# Allegro board P2597_B04_Allegro_layout.brd (continued)
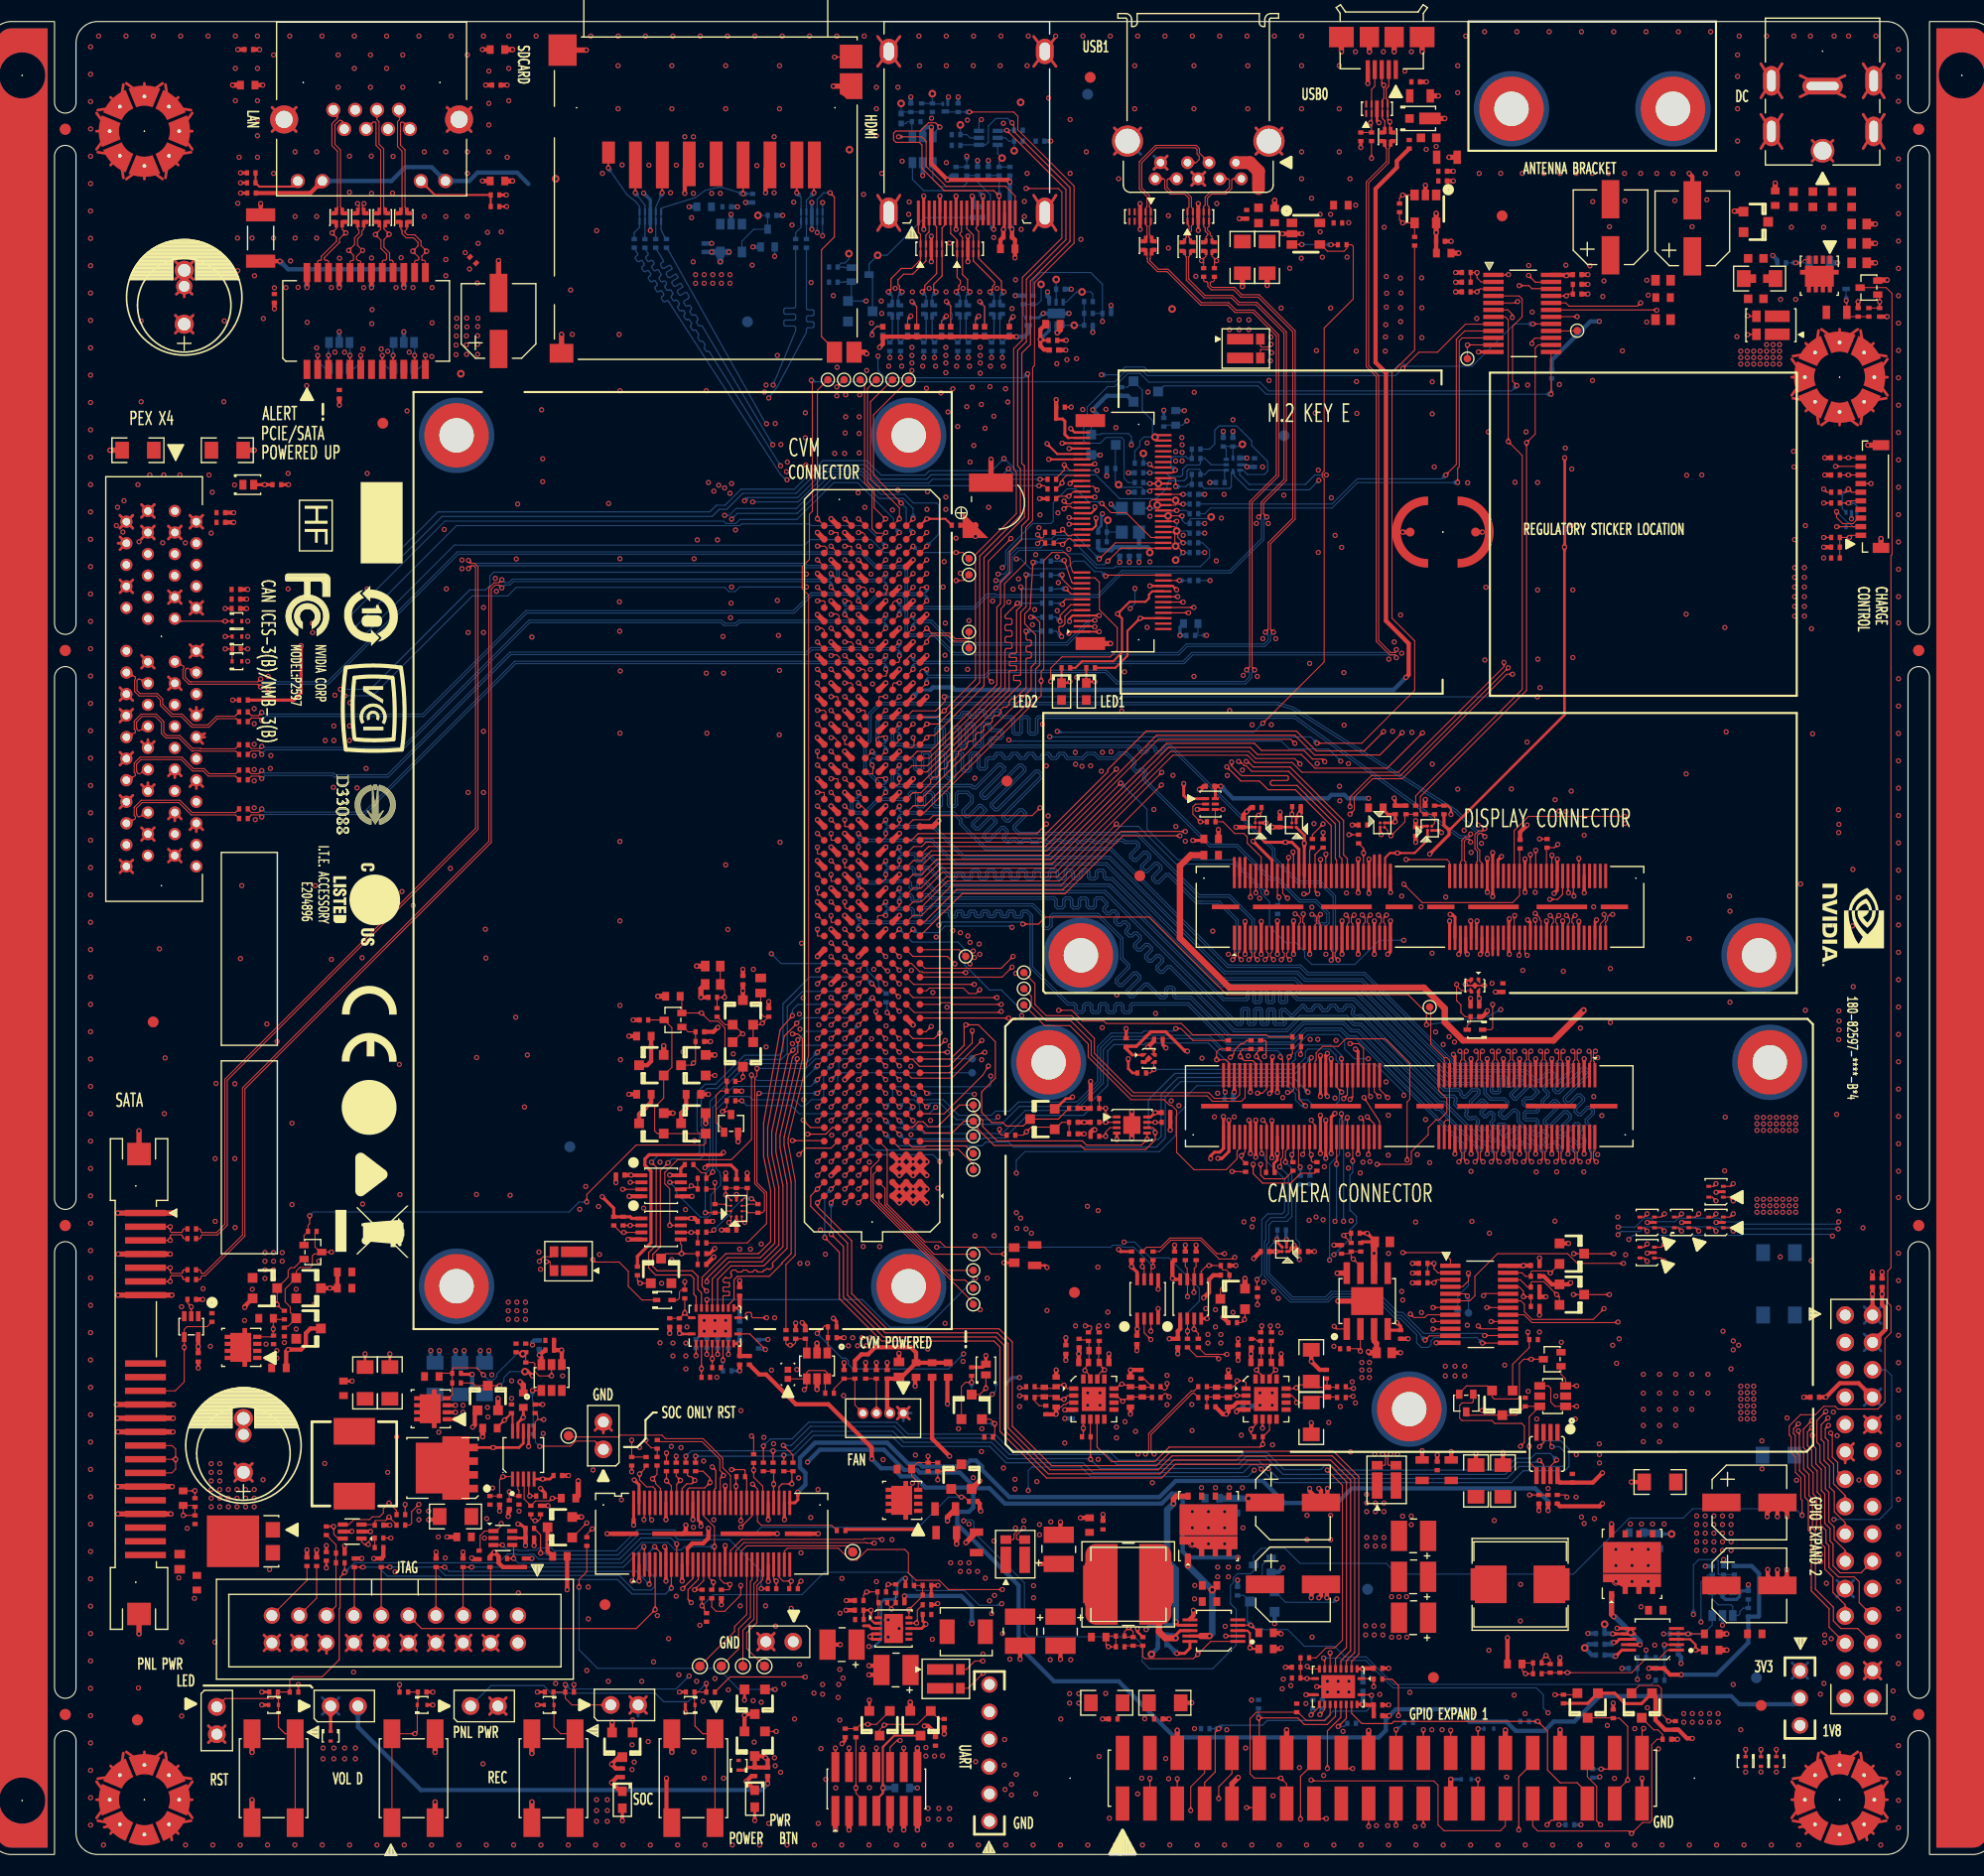
[diagram p0: board, top side]
## Nets (continued)
SDCARD_CMD_R: D505.4(3A) D505.7(3B) J12.2(CMD) R594.2
SDCARD_DAT0_POL: J13.H18(SDCARD_D0) R590.1
SDCARD_DAT0_R: D504.1(1A) D504.10(1B) J12.7(DATA0) R590.2
SDCARD_DAT1_POL: J13.H17(SDCARD_D1) R589.1
SDCARD_DAT1_R: D504.2(2A) D504.9(2B) J12.8(DATA1) R589.2
SDCARD_DAT2_POL: J13.F19(SDCARD_D2) R596.1
SDCARD_DAT2_R: D505.1(1A) D505.10(1B) J12.9(DATA2) R596.2
SDCARD_DAT3_POL: J13.F18(SDCARD_D3) R595.1
SDCARD_DAT3_R: D505.2(2A) D505.9(2B) J12.1(CD_DATA3) R595.2
SDCARD_VDD_EN: J13.H16(SDCARD_PWR_EN) Q509.1(G)
SDCARD_VDD_EN_L: Q509.3(D) R591.1 U503.4(EN*)
SDCARD_WP: D504.5(4A) D504.6(4B) J12.12(C_WR_PROTECT) J13.F20(SDCARD_WP)
SDIO_CLK: J13.B30(SDIO_CLK) R556.1
SDIO_CLK_R: J18.9(SDIO_CLK) R556.2
SDIO_CMD: J13.B29(SDIO_CMD) R555.1
SDIO_CMD_R: J18.11(SDIO_CMD) R555.2
SDIO_D0: J13.B32(SDIO_D0) R554.1
SDIO_D1: J13.A32(SDIO_D1) R553.1
SDIO_D2: J13.A31(SDIO_D2) R552.1
SDIO_D3: J13.A30(SDIO_D3) R551.1
SDIO_DAT0_R: J18.13(SDIO_DATAO) R554.2
SDIO_DAT1_R: J18.15(SDIO_DATA1) R553.2
SDIO_DAT2_R: J18.17(SDIO_DATA2) R552.2
SDIO_DAT3_R: J18.19(SDIO_DATA3) R551.2
SLEEP: D23.1(LINE1) J13.E2(SLEEP*) J26.22 R34.2
SLEEP_R: C35.1 D3.1(1C) R34.1 S2.1 S2.4
SNN_CAM_P60: J22.60
SNN_CRIT_1: U18.9(CRITICAL*)
SNN_CRIT_3: U10.9(CRITICAL*)
SNN_D_MFG_MODE_N: J10.59
SNN_DIS_64: J23.64
SNN_DIS_82: J23.82
SNN_DIS_111: J23.111
SNN_DIS_113: J23.113
SNN_DIS_114: J23.114
SNN_DIS_116: J23.116
SNN_DIS_118: J23.118
SNN_DIS_120: J23.120
SNN_EN_VDD_BL: J23.84
SNN_HDMI_RES: J16.14(RESERVED)
SNN_LED_VDD_CPU: J10.30
SNN_M2_B_65: J18.65(RESERVED_PERP1)
SNN_M2_B_67: J18.67(RESERVED_PERN1)
SNN_M2_B_71: J18.71(RESERVED_REFCLKP1)
SNN_M2_E_64: J18.64(RESERVED)
SNN_M2_E_66: J18.66(UIM_SWP_PERST1*)
SNN_M2_E_68: J18.68(UIM_POWER_SNK_CLKREQ1*)
SNN_M2_E_70: J18.70(UIM_POWER_SRC_GPIO1_PEWAKE1*)
SNN_PCIE_JTAG_TCLK: J2.A5(TCLK)
SNN_PCIE_JTAG_TDI: J2.A6(TDI)
SNN_PCIE_JTAG_TDO: J2.A7(TDO)
SNN_PCIE_JTAG_TMS: J2.A8(TMS)
SNN_PCIE_RSVD1: J2.A19(RSVD<2>)
SNN_PCIE_RSVD2: J2.B30(RSVD<3>)
SNN_PCIE_RSVD3: J2.A32(RSVD<4>)
SNN_PM2_PV_1: U10.10(PV)
SNN_PM2_TC_1: U10.13(TC)
SNN_PM2_VPU_1: U10.16(VPU)
SNN_PM_PV_2: U18.10(PV)
SNN_PM_TC_2: U18.13(TC)
SNN_PM_VPU_2: U18.16(VPU)
SNN_SATA_P1: J1.8(3V3_1)
SNN_SATA_P2: J1.9(3V3_2)
SNN_SATA_P11: J1.18(DAS_11)
SNN_SDCARD_SW_OC_L: U503.3(OC*)
SNN_TOUCH_SHDN: J23.46
SNN_U3_P6: U3.6(Y)
SNN_U9_NC: U23.5(NC)
SNN_U9_POK: U23.1(POK)
SNN_U1000_P5: U15.5(NC)
SNN_USB2_ESD_NC1: D8.4(3A)
SNN_USB2_ESD_NC2: D8.5(4A)
SNN_USB2_ESD_NC3: D8.7(3B)
SNN_USB2_ESD_NC4: D8.6(4B)
SNN_USB_ESD_NC1: D10.1(1A)
SNN_USB_ESD_NC2: D10.10(1B)
SNN_VDD_5V_MR_L: U32.3(MR*)
SNN_WARN_1: U18.8(WARNING*)
SNN_WARN_3: U10.8(WARNING*)
SOC_PWR_REQ: J13.B7(CARRIER_STBY*) Q21.1(G) R136.1 U3.3(A)
SOC_REG_EN_Q: Q7.3(D) R60.2
SOC_REG_EN_QQ: CR1.1(C) R60.1
SPI0_CLK: J13.E3(SPI0_CLK) J23.38
SPI0_CS0: J13.F3(SPI0_CS0*) J23.44
SPI0_MISO: J13.E4(SPI0_MISO) J23.40
SPI0_MOSI: J13.F4(SPI0_MOSI) J23.42
SPI1_CS0: J13.E14(SPI1_CS0*) U7.5(A4)
SPI1_CS0_3V3: J21.24(2) R337.1 U7.16(B4)
SPI1_CS1: J13.E13(SPI1_CS1*) U7.6(A5)
SPI1_CS1_3V3: J21.26(2) R3238.1 U7.15(B5)
SPI1_MISO: J13.F14(SPI1_MISO) U7.3(A2)
SPI1_MISO_3V3: J21.21(1) R335.1 U7.18(B2)
SPI1_MOSI: J13.F13(SPI1_MOSI) U7.1(A1)
SPI1_MOSI_3V3: J21.19(1) R334.1 U7.20(B1)
SPI1_SCK: J13.G13(SPI1_CLK) U7.4(A3)
SPI1_SCK_3V3: J21.23(1) R336.1 U7.17(B3)
SPI2_CS0: J13.G16(SPI2_CS0*) J23.110
SPI2_CS1: J13.F16(SPI2_CS1*) J22.66
SPI2_MISO: J13.H15(SPI2_MISO) J22.64 J23.106
SPI2_MOSI: J13.G15(SPI2_MOSI) J22.68 J23.108
SPI2_SCK: J13.H14(SPI2_CLK) J22.62 J23.104
SUSCLK_32KHZ: J18.50(SUSCLK_32KHZ) Y501.3(OUT)
SW_VDD_3V3_SYS_G: C65.1 Q19.4(G) R129.2 R131.1
SW_VDD_3V3_SYS_R: Q21.3(D) R131.2
SYNV18DBC_3_BST: C67.1 U9.8(BOOT)
SYNV18DBC_3_FB: R119.1 R122.2 R123.2 U9.1(FB)
SYNV18DBC_3_FB2: C62.1 R123.1 R124.2
SYNV18DBC_3_FB_C: C62.2 R122.1
SYNV18DBC_3_SW: C67.2 L6.1 U9.6(SW_01) U9.7(SW_02)
SYNV18DBC_3_VCC: C59.1 R120.2 U9.2(VCC)
SYS_RST_IN_DBG_C: J10.40 R97.1
TCA9539_2_RST_L: R234.2 U28.3(RST*)
TCA9539_RST_L: R241.2 U29.3(RST*)
TORCH_EN: J22.104 R200.1 U28.9(P05)
TOUCH_CLK: J13.B24(TOUCH_CLK) R218.2
TOUCH_CLK_R: J23.50 R218.1
TOUCH_INT: J13.B25(GPIO6_TOUCH_INT) J23.34
TOUCH_RST: J13.B23(GPIO7_TOUCH_RST) J23.36
TXD_HDR_1V8: R79.2 R80.2 U5.6(B2)
TXL8_1_OE: R203.2 R204.2 R343.2 U22.10(OE)
TXL8_2_OE: R70.2 R72.2 R342.2 U7.10(OE)
TXL8_OE: D16.2(A) R342.1 R343.1
TYPEC_INT: J27.9 U28.6(P02)
U3_P1: R41.1 U3.1(A)
U9_FB: C133.2 R212.1 R219.2 U23.7(FB)
U9_FB_R: C133.1 R217.2
U60_P00: TP502.1 U28.4(P00)
U60_P01: TP501.1 U28.5(P01)
UART0_CTS: J13.H11(UART0_CTS*) R61.2 R66.2 U6.7(B1)
UART0_RTS: J13.G11(UART0_RTS*) R67.2 R68.2 U5.7(B1)
UART0_RXD: J13.G12(UART0_RX) R102.1 U8.B1(COM2)
UART0_RXD_DBG_1V8: J10.8 U8.A1(NO2)
UART0_RXD_HDR_1V8: R81.2 R102.2 U8.C1(NC2)
UART0_TXD: J13.H12(UART0_TX) R89.1 U8.B3(COM1)
UART0_TXD_DBG_1V8: J10.6 U8.A3(NO1)
UART0_TXD_HDR_1V8: R80.1 R89.2 U8.C3(NC1)
UART1_CTS: J13.E10(UART1_CTS*) R175.2 U14.2(A1)
UART1_CTS_3V3_L: J17.6 R174.1 U14.7(B1)
UART1_CTS_HDR_3V3: J21.36(2) R325.2 U6.2(A1)
UART1_DIR: Q10.3(D) R83.1 R84.1 U6.5(DIR)
UART1_DIR_G: Q10.1(G) R62.2
UART1_RTS: J13.E9(UART1_RTS*) R165.2 U12.7(B1)
UART1_RTS_3V3_L: J17.2 U12.2(A1)
UART1_RTS_HDR_3V3: J21.11(1) U5.2(A1)
UART1_RXD: J13.D10(UART1_RX) R178.2 U14.3(A2)
UART1_RXD_3V3: J17.4 R177.1 U14.6(B2)
UART1_RXD_HDR_3V3: J21.10(2) R324.2 U6.3(A2)
UART1_TXD: J13.D9(UART1_TX) R168.2 U12.6(B2)
UART1_TXD_3V3: J17.5 U12.3(A2)
UART1_TXD_HDR_3V3: J21.8(2) U5.3(A2)
UART2_CTS: J13.A15(UART2_CTS*) J18.34(UART_CTS)
UART2_RTS: J13.A16(UART2_RTS*) J18.36(UART_RTS)
UART2_RXD: J13.B15(UART2_RX) J18.22(UART_RXD)
UART2_TXD: J13.B16(UART2_TX) J18.32(UART_TXD)
UART3_CTS: J13.G9(UART3_CTS*) TP504.1
UART3_RTS: J13.G10(UART3_RTS*) TP503.1
UART3_RXD: J13.H9(UART3_RX) R82.2
UART3_TXD: J13.H10(UART3_TX) R74.1 R79.1
UART4_RX: J13.D5(RSVD_12) R87.2
UART4_RX_DBG: J10.29 R87.1
UART4_TX: J13.D8(RSVD_13) R85.2 R323.1
UART4_TX_DBG: J10.27 R85.1
USB0_D_N: D10.5(4A) D10.6(4B) J20.2(DN) L13.3 R226.2
USB0_D_P: D10.4(3A) D10.7(3B) J20.3(DP) L13.4 R224.2
USB0_ID_IO_CONN: J13.A36(USB0_OTG_ID) R220.1
USB0_ID_IO_CONN_D: C134.1 D10.2(2A) D10.9(2B) J20.4(ID) R220.2
USB0_IO_CONN_D_N: J13.B40(USB0_D*) L13.2 R226.1
USB0_IO_CONN_D_P: J13.B39(USB0_D) L13.1 R224.1
USB0_OC*: R227.2 U25.3(OC*)
USB0_VBUS_EN: R227.1 R230.2 U25.4(EN)
USB1_D_N: J13.A39(USB1_D*) L10.1 R167.1
USB1_D_P: J13.A38(USB1_D) L10.2 R169.1
USB1_F_D_N: D8.2(2A) D8.9(2B) J19.2(DN) L10.4 R167.2
USB1_F_D_P: D8.1(1A) D8.10(1B) J19.3(DP) L10.3 R169.2
USB2_D_N: J13.B43(USB2_D*) J18.5(USB_DM)
USB2_D_P: J13.B42(USB2_D) J18.3(USB_DP)
USB3_RX1_F_N: D9.1(1A) D9.10(1B) J19.5(SSRXN) L11.3(P3) R173.2
USB3_RX1_F_P: D9.2(2A) D9.9(2B) J19.6(SSRXP) L11.2(P2) R176.2
USB3_RX1_N: J13.F44(USB_SS0_RX*) L11.4(P4) R173.1
USB3_RX1_P: J13.F43(USB_SS0_RX) L11.1(P1) R176.1
USB3_TX1_C_N: D9.4(3A) D9.7(3B) J19.8(SSTXN) L12.3(P3) R181.2
USB3_TX1_C_P: D9.5(4A) D9.6(4B) J19.9(SSTXP) L12.2(P2) R186.2
USB3_TX1_F_N: C105.2 L12.4(P4) R181.1
USB3_TX1_F_P: C109.2 L12.1(P1) R186.1
USB3_TX1_N: C105.1 J13.C44(USB_SS0_TX*)
USB3_TX1_P: C109.1 J13.C43(USB_SS0_TX)
USB_VBUS_EN0: J13.A17(USB0_EN_OC*) R230.1
USB_VBUS_EN1: J13.A18(USB1_EN_OC*) R216.1 U21.4(EN)
USB_VBUS_EN2: J13.A19(USB2_EN_OC*) TP14.1
USB_VBUS_J38: C115.1 J19.1(VBUS) LB10.2
USB_VBUS_J38_FB: C113.1 C121.1 C122.1 LB10.1 U21.1(OUT)
USB_VBUS_OC0: R216.2 U21.3(OC*)
VAUX_5V: J10.60 R62.1 R92.1 R254.1
VAUX_5V_G: Q38.3(G) Q40.1(G) R252.1 R254.2
VAUX_5V_L: Q36.2(S) Q37.2(S) Q40.3(D)
VBST: R536.1 U16.10(VBST)
VBST_IO: R515.1 U31.10(VBST)
W_DISABLE1_L: R539.2 U29.4(P00)
W_DISABLE1_R_L: J18.56(W_DISABLE1*) R539.1
W_DISABLE2_L: J18.54(W_DISABLE2*) Q504.3(D) R540.1 R543.2
WDT_TIME_OUT_L: D23.4(LINE3) J13.C9(WDT_TIME_OUT*) J26.16
WIFI2_EN: J13.A29(SDIO_RST*) J18.23(SDIO_RESET*)
WIFI2_WAKE_AP_L: J13.B20(GPIO10_WIFI_WAKE_AP) J18.21(SDIO_WAKE*)

Pads without a net: D13 2; J17 3; U1 1; U30 1

## Via types
v1: diameter 0.48, hole 0.28, TOP to BOTTOM, 3653 vias
v2: diameter 0.71, hole 0.355, TOP to BOTTOM, 40 vias

## Routing (per net, layer and track width the routed paths; a pad name or vN(x,y) marks a point on that pad's centre or on a via; arc(x,y) is an arc through that point)
1V8_IO_PG: length 55.6
  TOP w0.1: R128.2 86.15,22.68 86.15,21.55 v1(86.08,21.48) U9.9 ; v1(54.73,24.83) 54.73,25.53 55.45,26.26 R322.2 ; Q15.1 v1(72.95,15.32)
  L3 w0.1: v1(72.98,21.2) 71.26,21.2 70.82,20.76 70.82,17.45 v1(72.95,15.32)
  L4 w0.1: v1(72.98,21.2) 73.18,21.4 82.85,21.4 83.05,21.2 83.81,21.2 84.35,21.75 85.28,21.75 85.54,21.48 v1(86.08,21.48)
  BOTTOM w0.1: v1(54.73,24.83) 54.73,19.01 56.45,17.28 67.62,17.28 69.58,15.32 v1(72.95,15.32)
1V8_IO_VREG_EN: length 77.9
  TOP w0.1: U9.10 v1(85.38,22.73) 86.65,24 C66.1 R127.1 R125.1
  L4 w0.1: v1(85.38,22.73) 85.45,22.8 94.12,22.8 95.61,24.29 112.54,24.29 113.9,22.93 121.34,22.93 121.77,22.5 151.43,22.5 153.85,20.08 v1(153.85,18.98)
  BOTTOM w0.1: v1(153.85,18.98) R511.2 R508.2
3V3_GPIO_HDR:
  vias: v1(103.99,3.37)
3V3_IO_SLP_R:
  vias: v1(82.97,36.66)
3V3_SYS_BUCK_EN: length 46.2
  TOP w0.1: C119.1 117.88,20.66 117.79,20.66 117.17,21.28 v1(117.15,21.28) U16.4
  BOTTOM w0.1: R510.2 154.35,15.78 130.41,15.78 127.85,18.34 125.89,18.34 124.9,19.33 122.11,19.33 120.56,20.88 118.3,20.88 118.2,20.98 117.5,20.98 117.2,21.28 v1(117.15,21.28) 116.81,21.62 116.81,23.23 Q503.3 116.48,24.05 R522.1
5V0_GPIO_HDR:
  vias: v1(107.28,12.6)
5V0_HDMI_EN: length 62.3
  TOP w0.1: U29.17 v1(143.33,142.11)
  L3 w0.1: v1(103.25,137.38) 103.25,142.23 v1(103.35,142.33)
  BOTTOM w0.1: R557.1 96.9,146.18 97.6,146.88 102.25,146.88 103.35,145.78 R544.1 ; v1(103.25,137.38) 104.73,137.38 105.45,138.11 107.22,138.11 107.71,137.62 130.19,137.62 130.94,138.37 131.41,138.37 131.6,138.18 137.7,138.18 141.62,142.11 v1(143.33,142.11) ; R544.1 R548.1 ; R544.1 v1(103.35,142.33)
19V_INPUT:
  vias: v1(166.35,144.38) v1(167.75,144.38)
AVDD_CAM: length 17.5
  TOP w0.28: v1(124.1,68.18) 124.1,68.18 J22.82 124.1,64.63 v1(124.1,64.63) ; v1(124.25,74.38) 124.1,74.23 J22.81 124.1,70.53 v1(124.25,70.38) ; v1(123.6,70.38) 123.6,70.38 J22.83 123.6,74.18 v1(123.6,74.18)
  TOP w0.3: R219.1 127.45,56.88 C138.1 128.65,56.97 v1(127.95,57.67) 127.94,57.68 R217.1
  TOP w0.6: U23.6 v1(128.59,55.82) 128.59,56.81 C138.1
AVDD_TS_DIS: length 7.5
  TOP w0.25: 118.45,93.98 117.95,94.48 U17.A1
  TOP w0.28: J23.26 121.6,93.33 120.95,93.98 v1(120.35,93.98) 118.45,93.98
DVDD_CAM_IO_1V2: length 12.6
  TOP w0.22: 106.13,74.23 U13.1
  TOP w0.28: v1(118.88,70.66) 119.1,70.88 J22.101 119.1,74 v1(119.15,74.05)
  TOP w0.3: v1(111.25,74.58) 111.03,74.58 109.23,76.38 107.85,76.38 106.5,75.03 105.6,75.03 C93.1 105.55,74.81 106.13,74.23
DVDD_CAM_IO_1V8: length 5.3
  TOP w0.25: U19.A1 120.7,55.98 120.84,56.12 120.84,56.29 v1(121.13,56.58)
  TOP w0.28: v1(119.09,68.14) 119.1,68.13 J22.102 119.1,64.69 v1(119.09,64.68)
  TOP w0.4: C128.1 121.13,56.5 v1(121.13,56.58)
GND: length 2768.2
  TOP w0.15: v1(138.85,80.68) U27.5 137.15,80.68 v1(137.05,80.78)
  TOP w0.18: J18.7 v1(103.05,115.03) ; J18.1 v1(103.05,113.53)
  TOP w0.19: C30.2 v1(31.25,26.6)
  TOP w0.2: J18.75 100.76,132.03 v1(100.4,132.39) ; J18.51 v1(102.65,126.03) ; J18.63 102.57,129.03 v1(102.65,129.11) ; v1(100.22,113.37) 100.38,113.53 J18.1 ; J18.7 100.58,115.03 100.29,114.74 v1(100.29,114.48) ; v1(102.75,124.08) 102.75,123.37 102.41,123.03 J18.39 ; J18.57 100.59,127.53 v1(100.34,127.28) ; v1(102.65,125.12) 102.65,124.87 102.31,124.53 J18.45 ; U22.21 v1(123.25,15.58) ; v1(107.75,117.78) J18.18 109.88,117.78 v1(110.24,117.42) ; J18.69 v1(100.25,130.53)
  TOP w0.22: 137.62,81.16 137.2,81.16 137.05,81.01 v1(137.05,80.78)
  TOP w0.25: U24.B1 129.15,94.78 ; C82.2 v1(99.99,140.58) ; v1(88.07,24.98) R127.2 C66.2 ; v1(153.95,55.83) 154,55.88 D23.2 ; R116.2 79.45,10.58 v1(79.15,10.28) ; U7.11 64.1,48.33 v1(64.05,48.38) ; U19.B1 v1(120.45,57.08) ; R166.2 106.6,20.68 v1(106.6,20.98) ; D22.2 v1(157.15,58.68) ; C134.2 v1(127.35,158.48) ; v1(119.59,65.08) 119.59,64.47 119.27,64.16 119.27,63.41 R200.2 ; v1(34.85,46.48) C33.2 34.85,45.15 ; 122.6,85.11 v1(122.6,83.58) ; R164.2 106.15,72.55 105.75,72.95 v1(105.75,73.88) ; v1(86.75,153.98) J16.2 v1(86.75,150.88) ; D6.2 v1(64.6,13.18) ; U17.B1 v1(118.55,95.78) ; v1(87.45,150.26) D502.3 v1(87.45,147.88) ; 149.11,85.11 149.11,86.64 v1(149.25,86.78) ; J21.39 v1(153.48,7.08) ; C75.2 v1(94.2,54.94) ; D8.3 v1(106.85,150.88) ; C34.2 v1(37.15,46.48) ; R54.2 v1(51.35,41.78) ; D3.2 v1(41.15,13.88) ; v1(89.75,150.88) J16.8 v1(89.75,153.98) ; J16.5 v1(88.25,153.98) ; 146.11,85.11 v1(146.11,86.68) ; J16.11 v1(91.25,153.98) ; D10.3 128.85,160.98 v1(129.05,160.78) ; C39.2 v1(47.98,154.08) ; v1(94.15,150.88) 94.25,150.98 J16.17 ; Q18.2 v1(81.7,14.33) ; C35.2 v1(41.15,15.08) ; v1(98.2,54.5) 98.01,54.69 C77.2 ; 144.61,85.11 v1(144.61,86.68) ; U16.6 111.48,21.86 ; C29.2 v1(25.25,15.08) ; Q15.2 v1(70.1,14.33) ; C32.2 v1(33.65,43.95) ; U11.4 v1(104.68,66.38) ; D25.2 v1(160.35,58.68) ; D9.3 v1(112.25,150.78) ; U20.B1 121.35,96.28 ; U26.B1 134.65,95.08 ; C46.2 v1(50.85,15.08) ; C25.2 v1(23.27,156.13) ; v1(100.57,70.33) 100.42,70.18 99.95,70.18 99,69.23 Q22.2 ; U4.7 v1(50.05,37.88) ; v1(90.85,150.26) D501.3 v1(90.85,147.88) ; D24.2 v1(153.95,58.68) ; C26.2 v1(23.27,154.26) ; 147.61,85.11 v1(147.61,86.64) ; D4.2 v1(50.85,13.88) ; D26.2 160.4,61.53 v1(160.35,61.48) ; 143.11,85.11 143.11,86.52 v1(142.85,86.78) ; J22.121 149.92,69.48 ; C50.2 v1(64.05,15.08) ; U8.D2 v1(69.35,61.28)
  TOP w0.254: 174.11,17.84 J26.28 ; J26.28 174.11,16.28 ; J26.28 175.67,17.84 ; J26.28 175.67,16.28 ; MEC1.8 18.68,161.95 ; MEC1.8 17.49,163.14 ; MEC1.8 16.3,164.33 ; MEC2.8 17.49,8.22 ; MEC2.8 16.3,9.41 ; MEC2.8 18.68,7.03 ; 18.58,111.14 19.18,111.74 ; 19.18,111.74 19.77,112.34 ; 19.18,111.74 19.77,111.14 ; 19.18,111.74 18.58,112.34 ; 20.3,11.94 J3.2 ; J3.2 21.85,10.39 ; J3.2 20.3,10.39 ; J3.2 21.85,11.94 ; 117.6,157.86 J19.10 ; J19.10 120.04,160.3 ; J19.10 120.04,157.86 ; J19.10 117.6,160.3 ; MEC1.7 18.8,158.32 ; MEC1.7 18.8,161.68 ; MEC1.7 18.8,160 ; MEC2.7 18.8,3.4 ; MEC2.7 18.8,5.08 ; MEC2.7 18.8,6.76 ; 96.97,166.02 J16.21 ; J16.21 99.03,168.79 ; J16.21 96.97,168.79 ; J16.21 99.03,166.02 ; 167.5,3.13 169.55,2.8 ; 169.55,2.8 168.69,1.94 ; 169.55,2.8 168.09,2.53 ; J7.6 44.7,20.37 ; J7.6 43.24,20.37 ; J7.6 44.7,18.91 ; J7.6 43.24,18.91 ; 28,18.91 J7.18 ; J7.18 28,20.37 ; J7.18 29.46,20.37 ; J7.18 29.46,18.91 ; J25.5 175.98,163.1 ; J25.5 174.02,166.26 ; J25.5 174.02,163.1 ; J25.5 175.98,166.26 ; 169.55,134.88 169.88,132.83 ; 169.55,134.88 167.5,135.21 ; 169.55,134.88 168.69,134.02 ; 9.9,158.32 MEC1.3 ; MEC1.3 9.9,161.68 ; MEC1.3 9.9,160 ; J25.4 166.48,166.26 ; J25.4 164.52,166.26 ; J25.4 164.52,163.1 ; J25.4 166.48,163.1 ; J19.11 106.9,160.3 ; J19.11 104.46,157.86 ; J19.11 104.46,160.3 ; MEC13.6 176.16,135.21 ; MEC13.6 173.78,132.83 ; MEC13.6 174.97,134.02 ; J9.2 60.99,13.1 ; J9.2 59.44,14.66 ; J9.2 60.99,14.66 ; J9.2 59.44,13.1 ; 12.67,9.53 MEC2.1 ; MEC2.1 14.35,9.53 ; MEC2.1 16.03,9.53 ; 14.67,98.74 15.27,99.34 ; 14.67,98.74 14.67,99.51 ; 14.67,98.74 14.08,99.34 ; 173.78,9.41 MEC14.8 ; MEC14.8 174.97,8.22 ; MEC14.8 176.16,7.03 ; 9.9,5.08 MEC2.3 ; MEC2.3 9.9,3.4 ; MEC2.3 9.9,6.76 ; 12.08,108.34 12.67,107.74 ; 12.67,107.74 13.27,107.14 ; 12.67,107.74 12.08,107.14 ; 12.67,91.74 13.27,91.14 ; 12.67,91.74 12.08,91.14 ; 12.67,91.74 13.27,92.34 ; 12.67,91.74 12.08,92.34 ; 33.08,20.37 J7.14 ; J7.14 34.54,20.37 ; J7.14 33.08,18.91 ; J7.14 34.54,18.91 ; J26.11 173.13,36.6 ; J26.11 173.13,38.16 ; J26.11 172.35,36.35 ; 174.11,40.7 J26.10 ; J26.10 174.11,39.14 ; J26.10 175.67,39.14 ; J26.10 175.67,40.7 ; 16.58,96.14 17.18,96.74 ; 17.18,96.74 17.77,96.14 ; 17.18,96.74 17.18,95.97 ; 16.58,100.14 17.18,100.74 ; 17.18,100.74 17.77,100.14 ; 17.18,100.74 17.18,99.97 ; 12.67,105.74 13.27,106.34 ; 12.67,105.74 12.08,106.34 ; 12.67,105.74 12.08,105.14 ; 171.83,132.72 MEC13.5 ; MEC13.5 170.15,132.72 ; MEC13.5 173.51,132.72 ; 18.58,106.34 19.18,105.74 ; 19.18,105.74 19.18,106.51 ; 19.18,105.74 19.77,106.34 ; J16.20 99.03,154.05 ; J16.20 99.03,150.78 ; J16.20 96.97,150.78 ; J16.20 96.97,154.05 ; 12.08,97.14 12.67,97.74 ; 12.67,97.74 12.08,98.34 ; 12.67,97.74 13.27,98.34 ; J15.1 85.41,41.54 ; J15.1 84.29,40.42 ; J15.1 85.41,40.42 ; J15.1 84.29,41.54 ; J7.4 47.24,20.37 ; J7.4 45.78,18.91 ; J7.4 45.78,20.37 ; J7.4 47.24,18.91 ; MEC2.6 18.68,3.13 ; MEC2.6 16.9,1.34 ; MEC2.6 17.49,1.94 ; 56.2,39.37 J8.2 ; J8.2 56.98,39.12 ; J8.2 57.76,39.37 ; J19.7 112.87,156.2 ; J19.7 111.63,154.96 ; J19.7 112.87,154.96 ; J19.7 111.63,156.2 ; 17.32,144.86 C4.2 ; C4.2 18.78,144.86 ; C4.2 18.05,144.63 ; J19.4 109.37,156.46 ; J19.4 108.13,156.46 ; J19.4 109.37,157.7 ; 168.69,8.22 169.55,7.36 ; 169.55,7.36 169.88,9.41 ; 169.55,7.36 167.5,7.03 ; MEC1.5 16.03,155.56 ; MEC1.5 12.67,155.56 ; MEC1.5 14.35,155.56 ; 71.31,20.53 J11.2 ; J11.2 72.86,18.98 ; J11.2 72.86,20.53 ; J11.2 71.31,18.98 ; 19.18,103.74 19.77,103.14 ; 19.18,103.74 19.95,104.08 ; 19.18,103.74 19.95,103.74 ; 167.38,138.84 MEC13.3 ; MEC13.3 167.38,137.16 ; MEC13.3 167.38,135.48 ; 12.08,101.14 12.67,101.74 ; 12.67,101.74 13.27,102.34 ; 12.67,101.74 12.08,102.34 ; 82.47,154.05 J16.22 ; J16.22 84.53,150.78 ; J16.22 84.53,154.05 ; J16.22 82.47,150.78 ; 169.55,139.44 169.88,141.49 ; 169.55,139.44 168.69,140.3 ; 169.55,139.44 167.5,139.11 ; 14.67,102.74 15.27,103.34 ; 14.67,102.74 14.67,103.51 ; 14.67,102.74 14.08,103.34 ; MEC14.7 176.28,5.08 ; MEC14.7 176.28,6.76 ; MEC14.7 176.28,3.4 ; J25.6 175.98,158.4 ; J25.6 175.98,161.56 ; J25.6 174.02,161.56 ; J25.6 174.02,158.4 ; 168.17,163.2 J25.2 ; J25.2 172.33,165.16 ; J25.2 172.33,163.2 ; J25.2 168.17,165.16 ; 14.08,94.14 14.67,94.74 ; 14.67,94.74 15.27,94.14 ; 14.67,94.74 15.27,95.34 ; 14.67,94.74 14.08,95.34 ; 174.11,139.44 174.97,140.3 ; 174.11,139.44 176.16,139.11 ; 174.11,139.44 173.78,141.49 ; 12.07,157.72 12.4,155.67 ; 12.07,157.72 11.21,156.86 ; 12.07,157.72 10.02,158.05 ; 19.18,94.97 19.18,95.74 ; 19.18,95.74 19.77,95.14 ; 19.18,95.74 18.58,95.14 ; 40.7,18.91 J7.8 ; J7.8 42.16,20.37 ; J7.8 42.16,18.91 ; J7.8 40.7,20.37 ; J7.10 39.62,20.37 ; J7.10 38.16,20.37 ; J7.10 38.16,18.91 ; J7.10 39.62,18.91 ; 17.18,92.74 17.77,93.34 ; 17.18,92.74 16.58,93.34 ; 17.18,92.74 16.58,92.14 ; 17.18,92.74 17.77,92.14 ; 12.08,122.34 12.67,121.74 ; 12.67,121.74 11.9,121.74 ; 12.67,121.74 12.08,121.14 ; 16.3,155.67 16.63,157.72 ; 16.63,157.72 18.68,158.05 ; 16.63,157.72 17.49,156.86 ; 164.52,161.56 J25.3 ; J25.3 166.48,161.56 ; J25.3 166.48,158.4 ; J25.3 164.52,158.4 ; MEC2.2 12.4,9.41 ; MEC2.2 10.02,7.03 ; MEC2.2 11.21,8.22 ; 167.38,6.76 MEC14.3 ; MEC14.3 167.38,3.4 ; MEC14.3 167.38,5.08 ; 82.47,168.79 J16.23 ; J16.23 82.47,166.02 ; J16.23 84.53,166.02 ; J16.23 84.53,168.79 ; MEC14.6 174.38,1.34 ; MEC14.6 174.97,1.94 ; MEC14.6 176.16,3.13 ; J7.20 26.92,18.91 ; J7.20 26.92,20.37 ; J7.20 25.46,20.37 ; J7.20 25.46,18.91 ; MEC13.7 176.28,138.84 ; MEC13.7 176.28,135.48 ; MEC13.7 176.28,137.16 ; 18.58,99.14 19.18,99.74 ; 19.18,99.74 19.77,99.14 ; 19.18,99.74 19.18,98.97 ; J6.2 47.97,14.56 ; J6.2 46.41,14.56 ; J6.2 47.97,13 ; J6.2 46.41,13 ; 11.21,163.14 MEC1.2 ; MEC1.2 12.4,164.33 ; MEC1.2 10.02,161.95 ; 10.02,3.13 MEC2.4 ; MEC2.4 11.21,1.94 ; MEC2.4 10.61,2.53 ; MEC13.1 173.51,141.61 ; MEC13.1 171.83,141.61 ; MEC13.1 170.15,141.61 ; MEC1.1 14.35,164.45 ; MEC1.1 16.03,164.45 ; MEC1.1 12.67,164.45 ; 14.67,110.74 15.27,110.14 ; 14.67,110.74 14.08,111.34 ; 14.67,110.74 14.08,110.14 ; 16.58,109.34 17.18,108.74 ; 17.18,108.74 17.77,108.14 ; 17.18,108.74 16.58,108.14 ; MEC14.1 173.51,9.53 ; MEC14.1 171.83,9.53 ; MEC14.1 170.15,9.53 ; J7.12 37.08,18.91 ; J7.12 37.08,20.37 ; J7.12 35.62,20.37 ; J7.12 35.62,18.91 ; 17.23,146.26 C4.3 ; C4.3 18.87,147.9 ; C4.3 18.87,146.26 ; C4.3 17.23,147.9 ; 31.27,18.68 J7.16 ; J7.16 30.54,18.91 ; J7.16 30.54,20.37
  TOP w0.28: v1(140.59,65.04) 140.6,65.05 J22.36 ; J10.52 72.3,31.09 v1(72.31,31.08) ; v1(127.11,92.42) 127.1,92.41 J23.48 127.1,89.29 v1(127.11,89.28) ; v1(125.61,83.58) 125.6,83.59 J23.41 125.6,86.67 v1(125.61,86.68) ; v1(145.61,92.42) 145.6,92.41 J23.102 145.6,89.53 v1(145.3,89.23) ; R187.2 v1(115.75,54.68) ; v1(119.59,65.08) 119.6,65.09 J22.100 ; R147.2 v1(99.95,47.98) ; v1(143.6,73.88) 143.6,73.88 J22.23 ; v1(116.6,86.63) 116.6,86.63 J23.5 116.6,83.58 v1(116.6,83.58) ; R191.2 v1(115.95,47.88) ; C140.2 130.55,97.98 v1(130.45,98.08) ; v1(148.11,89.28) 148.1,89.29 J23.112 ; v1(146.6,73.88) 146.6,73.88 J22.11 ; J22.70 127.1,65.03 v1(127.1,65.03) ; v1(151.15,21.01) 151.15,20.98 U31.6 ; v1(141.15,83.58) 141.1,83.63 J23.83 141.1,86.83 v1(141.15,86.88) ; v1(127.11,83.58) 127.1,83.59 J23.47 127.1,86.67 v1(127.11,86.68) ; v1(130.11,89.32) 130.1,89.33 J23.60 ; J22.47 137.6,73.87 v1(137.59,73.88) ; v1(124.6,65.08) 124.6,65.08 J22.80 124.6,68.46 v1(124.95,68.81) ; v1(142.6,92.44) 142.6,92.43 J23.90 142.6,89.34 v1(142.6,89.33) ; v1(62.8,25.38) 62.8,25.38 J10.13 62.8,28.45 v1(62.68,28.58) ; J22.115 115.6,70.79 v1(115.59,70.78) ; J22.17 145.1,73.88 v1(145.1,73.88) ; v1(128.11,92.42) 128.1,92.41 J23.52 128.1,89.25 v1(128.11,89.24) ; R174.2 v1(111.05,56.58) ; v1(139.1,92.48) 139.1,92.48 J23.76 139.1,89.34 v1(139.1,89.33) ; v1(130.11,86.68) 130.1,86.67 J23.59 130.1,83.83 v1(129.85,83.58) ; v1(64.3,25.38) 64.3,25.38 J10.19 ; J22.12 146.6,65.04 v1(146.6,65.04) ; v1(128.61,86.68) 128.6,86.67 J23.53 128.6,83.59 v1(128.61,83.58) ; J22.5 148.1,73.88 v1(148.1,73.88) ; v1(68.31,34.24) 68.3,34.23 J10.36 ; v1(142.09,73.88) 142.1,73.88 J22.29 ; v1(143.6,65.04) 143.6,65.04 J22.24 ; v1(68.31,28.68) 68.3,28.67 J10.35 ; J22.48 137.6,65.05 v1(137.59,65.04) ; J10.24 65.3,31.08 v1(65.3,31.08) ; v1(140.59,73.88) 140.6,73.87 J22.35 ; v1(119.61,70.75) 119.6,70.76 J22.99 ; J22.6 148.1,65.04 v1(148.1,65.04) ; v1(136.45,83.58) 136.6,83.73 J23.65 ; v1(136.09,65.04) 136.1,65.05 J22.54 ; J23.67 137.1,83.73 v1(137.25,83.58) ; v1(145.1,65.04) 145.1,65.04 J22.18 ; C58.2 v1(79.35,45.68) ; C135.2 v1(126.55,95.58) ; C128.2 v1(123.05,55.98) ; C103.2 v1(110.05,56.58) ; v1(138.45,83.58) 138.6,83.73 J23.73 ; 134.65,95.08 v1(134.85,94.88) ; J10.14 62.8,31.08 v1(62.8,31.08) ; J22.41 139.1,73.87 v1(139.09,73.88) ; v1(139.09,65.04) 139.1,65.05 J22.42 ; v1(142.09,65.04) 142.1,65.05 J22.30 ; C136.2 v1(129.95,17.28) ; R114.2 78.65,49.48 v1(78.35,49.78) ; v1(135.95,74.28) 136.1,74.13 J22.53 ; J10.58 73.8,31.09 v1(73.81,31.08) ; v1(126.85,74.78) 127.1,74.53 J22.69 ; J10.4 60.3,34.33 v1(59.85,34.78) ; v1(118.1,83.58) 118.1,83.58 J23.11 118.1,86.63 v1(118.1,86.63) ; U9.4 82,20.48 v1(81.75,20.23) 82,19.98 U9.5 ; v1(121.1,86.68) 121.1,86.68 J23.23 121.1,83.58 v1(121.1,83.58) ; U29.12 v1(138.28,139.51) ; C137.2 v1(129.95,13.88) ; R203.1 v1(120.35,17.38) ; v1(139.6,93.03) 139.6,93.02 J23.78 139.6,88.93 v1(139.6,88.93) ; v1(139.1,83.58) 139.1,83.58 J23.75 ; v1(72.31,25.34) 72.3,25.35 J10.51 ; J10.3 v1(60.3,25.38) ; C60.2 v1(81.35,45.68) ; v1(119.6,86.68) 119.6,86.68 J23.17 119.6,83.58 v1(119.6,83.58) ; v1(104.85,56.18) 105.05,55.98 C96.1 ; v1(124.6,73.88) 124.6,73.88 J22.79 ; U15.3 v1(112.15,97.03) ; R177.2 v1(112.05,56.58) ; U14.4 v1(113.07,49.75) ; 129.15,94.78 v1(129.25,94.68) ; 121.35,96.28 v1(121.65,96.58) ; U22.11 v1(122.25,14.83) ; C61.2 v1(83.35,45.68)
  TOP w0.3: v1(51.15,33.98) 51.55,33.58 R55.2 ; v1(109.25,74.88) 108.95,75.18 C100.2 ; U12.4 v1(108.52,50.68) ; U13.5 107.33,73.58 U13.2 ; D2.2 v1(25.25,13.88) ; C93.2 v1(105.55,76.68) ; U12.5 v1(108.52,52.48) ; U2.2 v1(35.36,29.98) ; C10.2 v1(19.35,45.16)
  TOP w0.35: D8.3 v1(106.85,153.28) ; D9.3 v1(112.25,153.28)
  TOP w0.4: R274.2 v1(176.25,142.78) ; R84.2 v1(67.25,55.48) ; U5.4 v1(59.38,61.1) ; C108.2 112.75,99.18 112.45,98.88 v1(112.35,98.88) ; C92.2 v1(103.35,12.58) ; J10.61 v1(57.33,29.78) ; v1(122.6,33.98) 122.6,33.73 C125.2 ; C172.2 166.95,31.78 v1(166.95,31.35) ; C172.2 v1(166.05,31.36) ; C172.2 165.1,31.73 v1(165.1,31.35) ; R244.2 142.15,94.93 v1(142.8,95.58) ; R249.2 v1(143.95,50.08) ; R113.2 75.75,49.08 v1(75.45,49.38) ; v1(166.92,26.45) 166.92,25.85 C173.2 ; C90.2 v1(103.4,31.57) ; v1(72.05,154.28) 72.05,156.45 J12.6 ; R99.2 v1(70.35,63.28) ; R239.2 v1(136.15,146.88) ; C126.2 124.2,24.53 v1(124.2,23.83) ; C126.2 122.75,24.18 v1(122.75,23.83) ; C126.2 123.65,24.03 v1(123.45,23.83) ; R12.1 v1(26.42,143.51) ; R119.2 v1(79.54,23.58) ; C41.2 v1(47.35,31.88) ; C146.2 v1(132.45,93.98) ; v1(81.65,16.68) 82.38,16.68 C63.2 82.42,17.53 v1(81.65,17.53) ; C104.1 v1(110.35,46.48) ; C139.2 v1(131.05,46.58) ; C124.2 v1(119.85,96.78) ; U6.4 v1(59.27,57.1) ; 63.88,29.78 64.38,29.78 64.65,30.05 v1(64.65,30.58) ; C101.2 v1(109.55,12.58) ; C173.2 165.15,25.88 v1(165.15,26.45) ; C173.2 v1(166.05,26.43) ; C51.2 v1(67.15,58.78) ; v1(99.45,30.87) 99.45,29.84 C85.2 ; U28.12 v1(134.35,47.5) ; C98.2 v1(106.55,46.78) ; C169.2 158.15,155.78 v1(157.85,156.08) ; C48.2 v1(58.15,62.38) ; C54.2 v1(67.95,57.98) ; v1(123.45,33.98) 123.65,33.78 C125.2 ; v1(111.8,22.68) 111.8,22.18 111.48,21.86 ; C59.2 v1(79.52,22.68) ; C117.2 v1(117.4,55.33) ; C205.1 v1(23.02,167.58) ; C125.2 124.25,33.28 v1(124.25,33.98) ; C158.2 v1(140.55,37.33) ; MEC10.1A v1(131.25,122.78) ; J20.5 v1(128,164.43) ; C115.2 v1(116.05,151.88) ; 121.77,97.28 121.77,96.7 v1(121.65,96.58) ; R72.1 v1(64.05,48.38) ; R136.2 91.95,32.58 91.95,31.98 v1(92.05,31.88) ; C44.2 v1(50.55,28.68) ; R22.2 v1(34.55,27.48) ; R94.2 v1(69.85,70.88) ; C45.2 v1(51.85,32.38) ; MEC10.1B v1(138.65,122.78) ; v1(94.15,150.88) C73.2 93.88,149.91 C74.2 ; R235.2 133.32,97.93 v1(133.35,97.95) ; v1(119.95,20.48) 119.85,20.58 C119.2 ; C56.2 v1(69.65,44.91) ; C12.2 v1(22.65,123.68) ; C57.2 79,19.48 v1(79,19.48) ; R3.2 v1(23.85,115.68) ; C148.2 v1(133.05,37.48) ; R260.2 v1(148.45,144.88) ; Q2.2 23.67,50.9 v1(23.67,50.79) ; C165.2 v1(152.47,34.58) ; C86.2 v1(99.45,18.12) ; v1(40.75,31.08) 41.48,31.08 RS1.2 ; v1(120.07,150.48) U21.2 v1(121.88,150.48) ; C159.2 v1(143.95,55.38) ; R252.2 v1(143.9,31.93) ; R56.2 v1(53.75,35.18) ; R237.2 v1(135.95,155.38) ; C15.2 v1(23.85,116.55) ; C181.2 174.89,54.06 v1(174.88,54.08) ; 45.44,27.41 44.88,27.41 v1(44.75,27.53) ; C175.2 v1(168.5,42.45) ; C151.2 v1(135.95,156.28) ; C156.2 v1(138.05,37.23) ; C141.2 v1(131.75,47.88) ; S4.3 62.85,3.45 v1(62.85,7.08) ; C162.2 v1(148.45,146.68) ; C76.2 v1(95.7,18.13) ; v1(48.15,31.38) 48.15,31.78 48.25,31.88 R49.2 ; C114.2 116.45,96.53 v1(116.75,96.83) 117.12,97.2 R196.2 ; R88.2 v1(66.05,79.58) ; 87.84,10.9 87.84,11.24 87.15,11.93 v1(86.8,11.93) ; v1(64.55,154.23) 64.55,156.55 J12.3 ; 133.35,154.08 v1(133.35,154.98) ; R63.2 v1(59.75,77.48) ; C102.2 R172.2 v1(109.65,67.25) ; R78.2 v1(66.95,75.48) ; R256.2 v1(145.85,18.28) ; C180.2 v1(175.78,54.08) ; R232.2 v1(132.15,54.88) ; U5.5 v1(65.22,61.1) ; C37.2 v1(42.45,29.48) ; C43.2 v1(50.35,27.48) ; C155.2 v1(137.55,79.48) ; C14.2 v1(23.95,117.45) ; C150.2 v1(135.75,149.78) ; C157.2 v1(139.85,80.08) ; R105.2 v1(72.35,79.18) ; v1(119.95,19.18) 119.85,19.08 C120.2 ; J10.63 v1(73.15,29.78) ; C145.2 v1(133.45,164.58) ; v1(35.65,27.48) R29.2 36.55,27.68 R26.2 ; C64.2 v1(84.45,46.53) ; R15.2 v1(29.45,28.28) ; C154.2 v1(135.75,37.41) ; R228.2 C140.2 ; R155.2 v1(102.25,71.78) ; C55.2 v1(69.65,53.28) ; R150.1 v1(101.65,66.91) ; R16.2 v1(30.35,28.28) ; C149.2 v1(134.45,37.1) ; R27.2 v1(37.15,30.58) ; R45.1 v1(48.05,164.28) ; R272.2 v1(173.55,144.18) ; R212.2 v1(124.85,56.58) ; C11.2 v1(22.65,124.58) ; R91.1 v1(67.95,23.18) ; J10.64 v1(76.95,29.78) ; R98.2 v1(69.95,82.18) ; C31.2 v1(32.46,134.57) ; C88.2 v1(101.3,31.26)
  TOP w0.5: C71.2 v1(90.67,28.96) ; Q17.2 v1(76.83,47.46) ; J13.C27 v1(84.49,94.8) ; v1(85.76,64.32) 85.12,63.68 ; v1(85.76,64.32) J13.A4 v1(87.03,64.32) J13.A3 ; v1(85.76,64.32) J13.A3 ; v1(85.76,64.32) 85.12,64.95 v1(84.49,64.32) ; 85.12,63.68 v1(84.49,63.05) J13.C3 v1(84.49,64.32) ; 85.12,63.68 v1(85.76,63.05) J13.A3 ; 85.12,63.68 v1(84.49,64.32) ; 118.65,146.81 v1(118.65,145.68) ; J13.E43 v1(80.68,115.12) ; D13.1 162.86,152.58 v1(162.05,152.58) ; v1(17.02,40.5) v1(11.82,40.5) ; J14.3 v1(79.81,2.28) ; v1(11.88,59.55) J1.1 v1(16.98,59.55) ; Q31.2 175.43,146.18 v1(176.25,146.18) ; J13.G44 v1(78.14,116.39) ; v1(84.49,64.32) J13.C4 ; Q8.2 v1(62.59,75.08) ; C38.2 v1(45.77,38.78) ; v1(16.81,31.62) J1.19 v1(11.88,31.62) ; v1(11.89,39.23) J1.13 v1(17,39.23) ; J13.E22 v1(80.68,88.45) ; 57.8,11.32 v1(57.8,12.28) ; C178.2 v1(175.15,149.58) ; J13.F21 v1(79.41,87.18) ; J13.F49 v1(79.41,122.74) ; J13.F45 v1(79.41,117.66) ; J21.9 115.38,6.57 v1(115.96,7.15) ; 77.5,103.05 v1(76.87,103.69) ; J14.11 v1(84.89,2.28) ; 85.12,108.13 v1(85.76,108.77) ; J20.8 v1(128.15,167.38) ; S3.2 v1(50.34,9.38) ; J13.G20 v1(78.14,85.91) ; J13.E31 v1(80.68,99.88) ; J13.C30 v1(84.49,98.61) ; J21.30 v1(140.78,11.55) ; J1.23 v1(13.85,67.18) ; S2.3 v1(41.36,9.48) ; v1(11.88,34.16) J1.17 v1(16.93,34.16) ; J13.A3 v1(87.03,63.05) ; J13.E25 v1(80.68,92.26) ; J13.A43 v1(87.03,115.12) ; v1(88.15,95.98) 87.6,95.43 J13.A28 ; C177.2 v1(175.15,151.38) ; J13.F27 v1(79.41,94.8) ; J21.14 v1(120.46,11.57) ; C42.2 49.55,43.58 v1(49.25,43.88) ; J27.11 v1(175.67,122.18) ; J13.F30 v1(79.41,98.61) ; v1(16.91,51.93) J1.7 v1(11.89,51.93) ; 77.5,99.24 v1(76.87,99.88) ; C13.2 v1(24.55,130.38) ; J13.C42 v1(84.49,113.85) ; J13.E37 v1(80.68,107.5) ; J13.C24 v1(84.49,90.99) ; v1(11.75,41.77) J1.11 v1(17.04,41.77) ; J1.24 v1(13.85,20.48) ; C171.2 v1(161.35,18.98) ; v1(106.08,68.98) U11.9 v1(106.08,66.48) ; 116.35,146.81 v1(116.35,145.58) ; S2.2 v1(41.36,4.87) ; J13.G47 v1(78.14,120.2) ; C1.2 v1(11.15,130.38) ; v1(54.65,34.68) 54.65,33.3 54.43,33.08 ; U23.9 v1(125.23,51.38) ; C122.2 v1(119.35,153.58) ; J13.E40 v1(80.68,111.31) ; C70.2 v1(89.8,28.83) ; J13.F15 v1(79.41,78.29) ; C52.2 v1(65.65,82.48) ; 77.5,118.29 v1(76.87,118.93) ; J13.D35 v1(83.22,104.96) ; v1(66.05,79.58) 66.05,80.38 C53.2 ; C179.2 v1(175.15,147.78) ; U23.8 v1(125.16,53.97) ; 77.5,114.48 v1(76.87,115.12) ; J13.A40 v1(87.03,111.31) ; J13.G17 v1(78.14,80.83) ; J13.D41 v1(83.22,112.58) ; J13.G50 v1(78.14,124.01) ; 80.27,139.48 81.3,139.48 v1(81.45,139.33) ; J13.D32 v1(83.22,101.15) ; J13.F42 v1(79.41,113.85) ; 62.77,79.68 v1(62.05,79.68) ; Q17.5 v1(76.83,43.18) ; S3.3 v1(50.34,4.87) ; 77.5,95.43 v1(76.87,96.07) ; J21.25 v1(135.7,6.98) ; J13.G35 v1(78.14,104.96) ; C152.2 v1(136.45,148.68) ; J13.F10 v1(79.41,71.94) ; Q12.2 v1(66.49,67.88) ; J13.C45 v1(84.49,117.66) ; J18.76 v1(104.1,112.43) ; 85.12,111.94 v1(85.76,112.58) ; J20.7 v1(130.45,167.38) ; J13.D20 v1(83.22,85.91) ; 77.5,87.81 v1(76.87,88.45) ; J13.E46 v1(80.68,118.93) ; J13.F36 v1(79.41,106.23) ; J13.E34 v1(80.68,103.69) ; C72.2 v1(93,129.53) ; J21.6 v1(110.3,11.53) ; 77.5,122.1 v1(76.87,122.74) ; J13.F24 v1(79.41,90.99) ; J14.1 v1(78.54,2.28) ; 85.12,119.56 v1(85.76,120.2) ; J21.20 v1(128.08,11.51) ; 47.83,167.58 v1(48.55,167.58) ; S1.2 v1(24.34,9.48) ; J13.G38 v1(78.14,108.77) ; J13.F39 v1(79.41,110.04) ; J12.15 v1(53.1,141.13) ; 77.5,106.86 v1(76.87,107.5) ; J13.F33 v1(79.41,102.42) ; R8.1 v1(22.55,164.28) ; J13.E19 v1(80.68,83.37) ; v1(11.91,55.74) J1.4 v1(16.75,55.74) ; J13.C33 v1(84.49,102.42) ; 77.5,110.67 v1(76.87,111.31) ; J14.13 v1(86.16,2.28) ; J13.G23 v1(78.14,89.72) ; C40.2 v1(47.25,147.98) ; J12.14 v1(55.4,167.53) ; Q5.2 v1(47.2,42.33) ; J20.6 v1(133.05,167.38) ; 85.12,77.65 v1(85.76,77.02) ; 85.12,115.75 v1(85.76,116.39) ; J13.A37 v1(87.03,107.5) ; C174.2 v1(165.85,155.18) ; J13.G41 v1(78.14,112.58) ; C69.2 88.95,31.33 v1(88.95,30.98) ; Q24.2 v1(116.59,53.48) ; J13.G26 v1(78.14,93.53) ; J13.D38 v1(83.22,108.77) ; J13.E28 v1(80.68,96.07) ; J27.12 v1(174.45,130.85) ; J13.D29 v1(83.22,97.34) ; J13.G32 v1(78.14,101.15) ; J12.13 v1(78.35,164.18) ; v1(99.15,141.28) 99.42,141.56 C81.2 ; 47.83,155.38 v1(48.55,155.38) ; Q6.2 v1(54.95,31.33) ; J13.G29 v1(78.14,97.34) ; C153.2 v1(135.55,157.58) ; D11.2 v1(135.15,161.18) ; J20.9 v1(125.55,167.38) ; Q9.2 v1(63.45,68.83) ; 77.5,91.62 v1(76.87,92.26) ; J21.34 v1(145.86,11.57) ; J13.C21 v1(84.49,87.18) ; J13.D44 v1(83.22,116.39) ; C170.2 v1(161.35,20.48) ; J13.C36 v1(84.49,106.23) ; S1.3 v1(24.34,5.07) ; 77.5,84 v1(76.87,83.37) ; 85.12,99.24 v1(85.76,99.88) ; J13.D26 v1(83.22,93.53) ; Q13.2 v1(69.5,66.18) ; J13.C39 v1(84.49,110.04) ; J14.9 v1(83.62,2.28) ; Q21.2 v1(91.95,34.68) ; Q11.2 v1(67.35,74.23) ; C147.2 v1(134.55,163.28) ; S4.2 v1(63.34,9.48) ; J13.G3 v1(78.14,63.05) ; J13.D23 v1(83.22,89.72)